# Altium PCB Copy of 211105 PCB.PcbDoc (part 2 of 3) (continued)
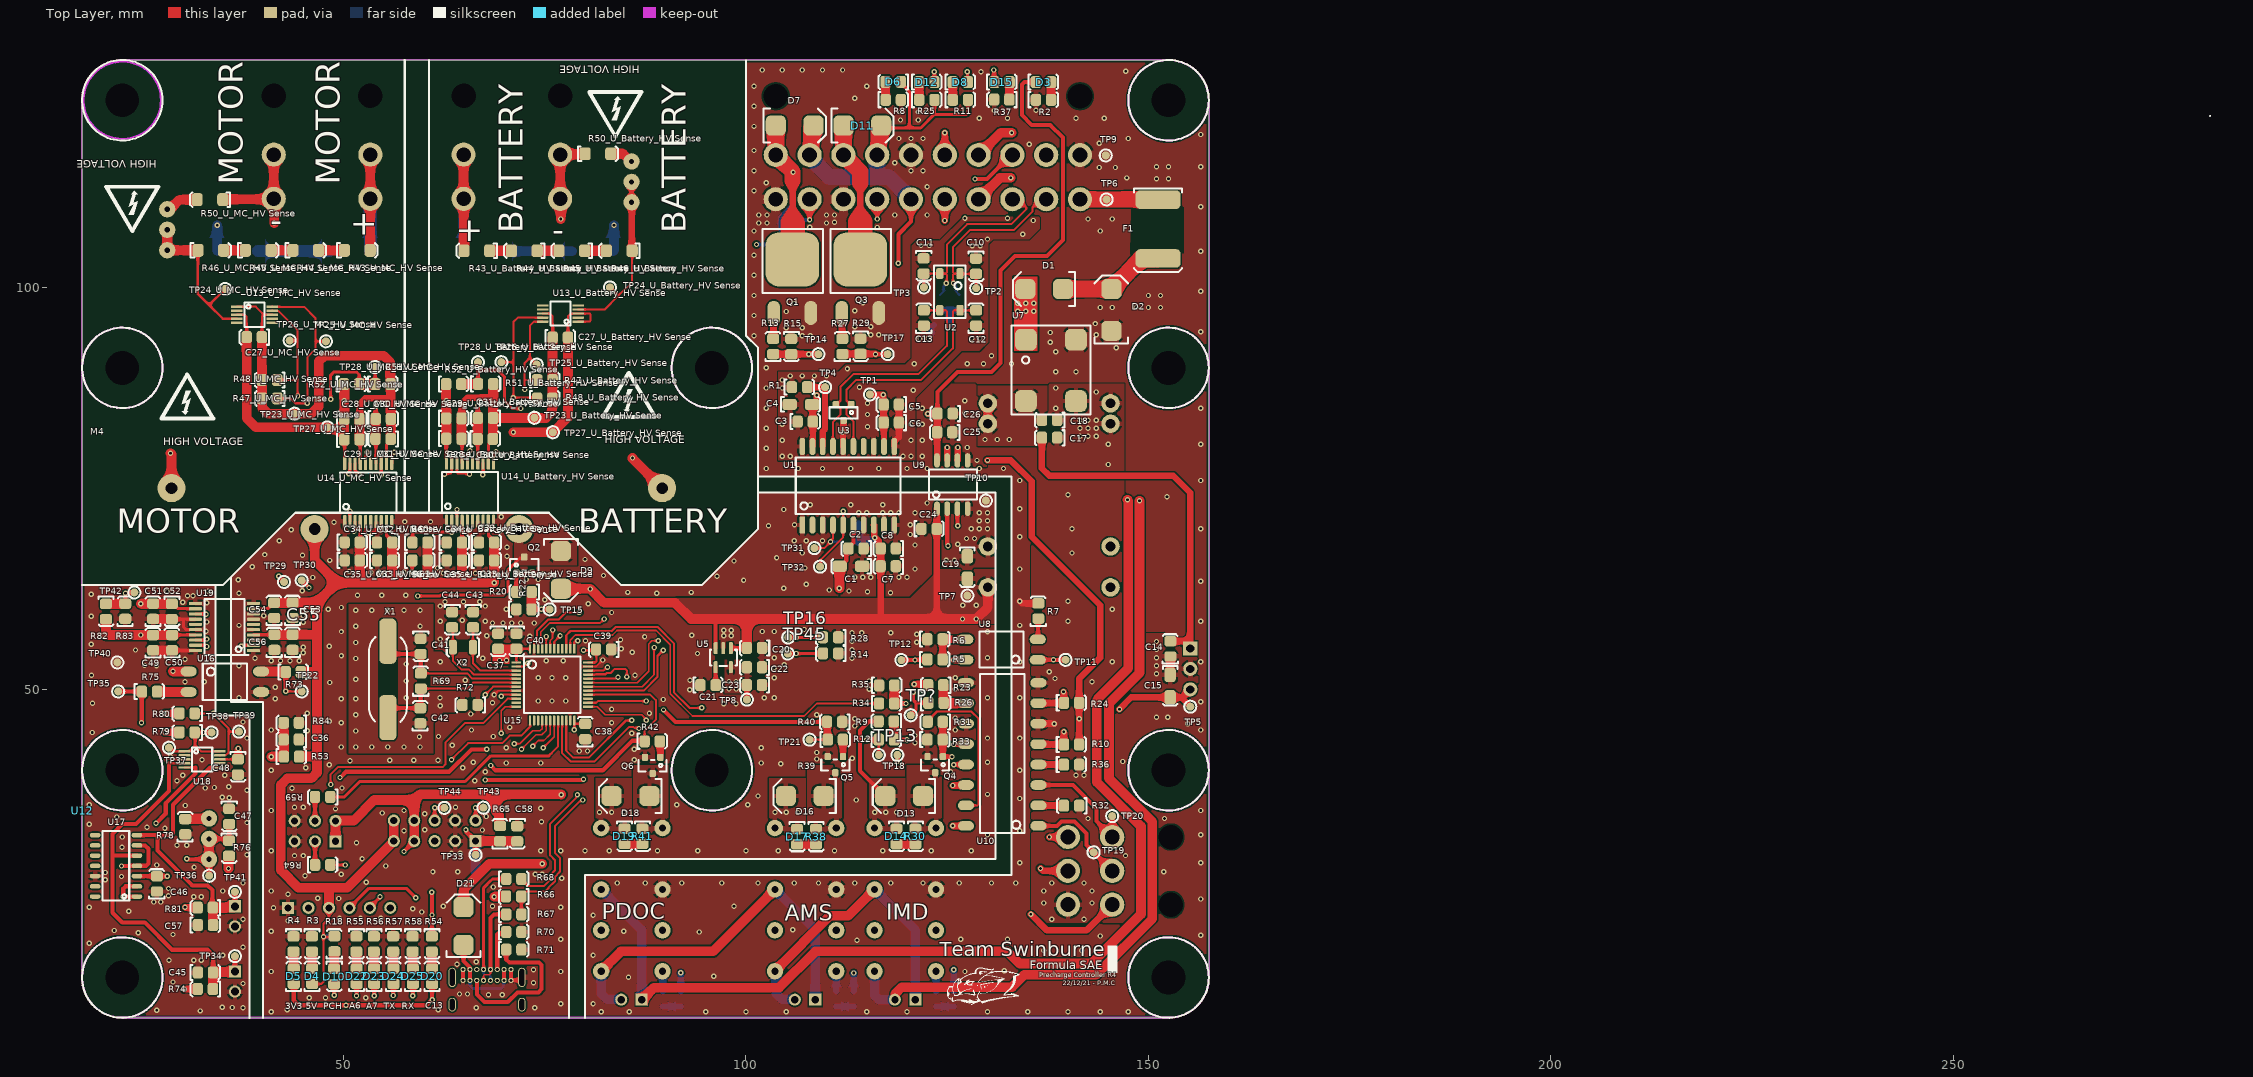
[diagram p0: Top Layer view]
## Nets (pads, with @x,y where several pads share a name; then routed paths per layer and width w, separated by ;. In a path a pad name is that pad's centre, name@x,y a point inside that pad or via, vN(x,y) a via of type N, cw(c..) or ccw(c..) an arc to the next point about the centre after c; other vN are vias at no path point) (continued)
  Top Layer w0.508: v1(89.75,47.5) 91.237,46.013 110.049,46.013 R40.2@110.062,46.026
  Top Layer w0.8: R40.2@110.062,46.026 110.106,45.982 110.106,43.844 R39.1@110.15,43.8
  Int2 (PWR) w0.508: v1(87.6,48.6) 88.715,48.6 89.012,48.302 89.012,48.279 89.75,47.541 v1(89.75,47.5)
AMS_OC: D16.A K2.1 Q5.D R38.1
BOOT0: BOOT1.3 R64.1 | length 2.9
  Top Layer w0.508: R64.1@46.452,28.248 46.455,28.251 46.455,31.167 BOOT1.3@46.457,31.17
BOOT1: BOOT1.4 R59.2 | length 3
  Top Layer w0.508: R59.2@46.45,36.689 46.454,36.686 46.454,33.714 BOOT1.4@46.457,33.71
"CAN RX": R62.1 TP31.1 U1.4 U15.45 | length 49
  Top Layer w0.203: U15.45@74.666,55.091 74.666,56.161 74.487,56.339 74.487,57.187 75.6,58.3 81.9,58.3 v1(82.4,58.8) ; v1(110.5,68.4) 110.5,68.524 110.802,68.826 110.802,70.473 U1.4@110.804,70.475
  Top Layer w0.254: TP31.1@108.5,67.6 109.7,67.6 v1(110.5,68.4)
  Int2 (PWR) w0.381: v1(82.4,58.8) 98.05,58.8 105.325,66.075 108.175,66.075 v1(110.5,68.4)
  Bottom Layer w0.203: v1(110.5,68.4) 112.043,68.4 R62.1@112.088,68.355
"CAN RX INDC": D25.A D32.A U15.19 | length 51
  Top Layer w0.203: v1(74.8,42.8) 76.166,44.166 U15.19@76.166,46.191
  Top Layer w0.508: v1(58.6,11.975) D25.A@58.6,13.441
  Int2 (PWR) w0.203: v1(58.6,11.975) 58.6,18.764 58.647,18.811 58.647,18.847 59.711,19.911 70.811,19.911 73.032,22.132 73.032,41.047 74.784,42.8 v1(74.8,42.8)
  Bottom Layer w0.5: D32.A@58.575,13.511 58.587,13.499 58.587,11.988 v1(58.6,11.975)
"CAN TX": R63.1 TP32.1 U1.5 U15.46 | length 56.3
  Top Layer w0.254: U15.46@74.166,55.091 74.166,56.05 74.056,56.16 74.056,57.366 75.421,58.732 76.732,58.732 77.6,59.6 v1(79.3,59.6) ; TP32.1@109.2,65.3 109.287,65.387 109.287,66.181 112.074,68.968 U1.5@112.074,70.475 112.087,70.488 112.087,72.187 v1(112.1,72.2)
  Int2 (PWR) w0.381: v1(79.3,59.6) 80.9,59.6 82.1,60.8 95.1,60.8 106.5,72.2 v1(112.1,72.2)
  Bottom Layer w0.254: R63.1@112.088,70.526 112.094,70.532 112.094,72.194 v1(112.1,72.2)
"CAN TX INDC": D24.A D31.A U15.18 | length 52.1
  Top Layer w0.203: v1(73.5,43) 74.198,43.698 74.89,43.698 75.666,44.474 U15.18@75.666,46.191
  Top Layer w0.508: v1(56.177,12.012) 56.188,12.023 56.188,13.451 D24.A@56.2,13.462
  Int2 (PWR) w0.254: v1@56.169,12.012 56.169,16.944 58.215,18.99 58.215,19.026 59.532,20.343 70.632,20.343 72.6,22.311 72.6,42.094 73.5,42.994 v1(73.5,43)
  Bottom Layer w0.5: D31.A@56.175,13.511 56.176,13.51 v1(56.177,12.012) v1(56.177,12.012)
CAN_CMF_N: C12.2 U1.15 U2.4 U3.1 | length 30.9
  Top Layer w0.25: U1.15@113.344,80.229 113.344,83.357 112.482,84.219 112.482,84.428 112.501,84.447 112.501,84.982 112.694,85.175 112.803,85.175 113.072,85.444 U3.1@113.072,85.453 113.072,85.463 112.803,85.732 112.694,85.732 112.501,85.925 112.501,87.312 113.689,88.5 121.772,88.5 125.705,92.433 125.705,97.013 125.851,97.159 U2.4@126.576,97.159 126.588,97.147 C12.2@128.602,97.147
CAN_CMF_P: C13.2 U1.17 U2.3 U3.2 | length 30.9
  Top Layer w0.25: U1.17@110.804,80.229 110.804,83.261 111.724,84.18 111.724,84.742 111.743,84.761 111.743,84.982 111.55,85.175 111.441,85.175 111.172,85.444 U3.2@111.172,85.453 111.172,85.463 111.441,85.732 111.55,85.732 111.743,85.925 111.743,87.626 113.375,89.258 121.458,89.258 124.947,92.747 124.947,97.013 124.8,97.159 U2.3@124.076,97.159 124.064,97.147 C13.2@122.102,97.147
CAN_N: "CAN TERM R2.1" "PRIMARY INTERFACE1.4" C10.2 TP2.1 U2.1 | length 25.3
  Top Layer w0.25: v1(125.783,100.531) 125.705,100.609 125.705,101.563 125.851,101.709 ; TP2.1@128.6,99.9 128.6,101.642 C10.2@128.571,101.671 126.614,101.671 U2.1@126.576,101.709 125.851,101.709 ; 137.3,110.95 136.596,110.95 135.579,109.933 135.579,109.411 133.268,107.1 127.805,107.1 125.705,105 125.705,101.856 125.851,101.709
  Bottom Layer w0.25: v1(125.783,100.531) 125.783,100.42 126.128,100.075 126.128,99.447 126.525,99.05
CAN_P: "CAN TERM R1.2" "PRIMARY INTERFACE1.6" C11.2 TP3.1 U2.2 | length 25.2
  Top Layer w0.25: TP3.1@122.1,100 122.1,101.68 C11.2@122.071,101.709 U2.2@124.076,101.709 124.8,101.709 ; v1(124.869,100.531) 124.947,100.609 124.947,101.563 124.8,101.709 ; 133.1,110.95 133.804,110.95 134.821,109.933 134.821,109.725 132.954,107.858 127.491,107.858 124.947,105.314 124.947,101.856 124.8,101.709
  Bottom Layer w0.25: 124.115,99.074 124.548,99.508 124.548,100.099 124.869,100.42 v1(124.869,100.531)
CANS: "PRIMARY INTERFACE1.3" C3.1 C4.1 C5.1 C6.1 C9.1 C10.1 C11.1 C12.1 C13.1 R1.1 U1.11 U1.13 U1.16 U1.20 U3.3 | length 20.8
  Top Layer w0.762: U1.16@112.074,80.229 112.049,80.254 112.049,81.951 v1(112,82) 112.122,82.122 U3.3@112.122,83.453 ; U1.11@118.424,80.23 118.424,80.903 118.45,80.928 118.55,80.928 118.996,81.374 C6.1@118.996,83.205 C5.1@118.996,85.455
  Int1 (GND) w0.762: 135.2,108.3 135.2,114.35 137.3,116.45
  Bottom Layer w0.762: v1(121.573,93.656) v1(122.573,93.656) 123.069,94.153 123.069,95.057 C9.1@123.338,95.326
  other v1: 104.5,79 105.5,79 119.5,79 120.5,79 104.5,81 120.5,81 115.1,82.7 104.5,83 120.5,83 115.1,84.2 120.5,85 115.1,85.6 120.8,87.2 104.5,87.5 114.1,87.6 104.5,88.5 105.5,89 107,89 108.5,89 110,89 112.6,89.9 120.9,90.5 128.073,93.656 129.073,93.656 128.1,105.162 129.1,105.162 121.75,105.2 122.75,105.2 130,106 134.375,106.6 135.7,108.3 127.2,108.6 132.5,108.6
"CHASSIS REF": "PRIMARY INTERFACE1.9" P1.6 | length 113
  Top Layer w0.8: 124.7,116.45 v1(124.7,119.2) ; v1(137.7,31.7) P1.6@140,31.7
  Int2 (PWR) w0.8: 124.7,116.45 124.7,116.8 ; v1(124.7,119.2) 130,119.2 131,118.2 131,97.3 136.9,91.4 136.9,84.625 144,77.525 144,73.4 149.3,68.1 149.3,46.3 145.4,42.4 145.4,37.6 144,36.2 140.596,36.2 137.7,33.304 v1(137.7,31.7)
"DISCHARGE DISABLE": "PRIMARY INTERFACE1.5" R85.2 R86.2 | length 44.1
  Top Layer w0.5: v1(128.45,113.475) 129.936,113.475 132.911,116.45 133.1,116.45
  Int2 (PWR) w0.5: v1(101.3,105.325) 102.875,105.325 105.825,108.275 105.825,112.7 106.6,113.475 v1(128.45,113.475)
  Bottom Layer w0.5: v1(101.3,105.325) 101.312,105.313 104.213,105.313 R85.2@104.225,105.3
  Bottom Layer w1.2: R85.2@104.225,105.3 R86.2@106.425,105.3
GLV+: "PRIMARY INTERFACE1.2" F1.1 TP6.1 | length 9.7
  Top Layer w2: 141.5,110.95 141.525,110.925 TP6.1@144.8,110.925 151.175,110.925 F1.1@151.2,110.9
GLV-: "PRIMARY INTERFACE1.1" "PRIMARY INTERFACE1.11" "PRIMARY INTERFACE1.16" "PRIMARY INTERFACE1.20" C16.1 D2.A K1.4 K2.4 K3.4 Q1.S Q3.S R2.1 R7.2 R8.2 R15.1 R29.1 R37.2 TP9.1 U7.4 | length 2.4
  Top Layer w0.8: v1(134,61) 134.262,60.738 R7.2@136.326,60.738
  other v1: 82,10 85.5,10 95,10 100,10 105,10 115,10 120,10 130,10 135,10 140,10 144,10 147.5,10 81,11 85.4,14.3 96,14.4 127.2,15 132.1,15.1 81,17 137,17.6 141.7,17.6 113.8,18.9 126.7,19 132.5,19 144,19.4 156.5,19.5 94.2,19.9 84.8,20 105.8,20.2 81,22 98.5,23.1 156.5,24 84,26 87.5,26 92,26 97,26 101.5,26 106,26 109,26 113.5,26 118,26 122,26 126.5,26 130.5,26 133.5,26 151.9,27.4 134,28.5 156.5,28.5 156.5,32 134,32.5 152,34 156.5,35 134,36.5 134,40 146.8,41.1 134,44 156.5,45 154.9,45.8 151,46.6 152.4,46.6 156.5,48.5 134,49 134,53.5 156.5,53.5 134,58 156.5,58.5 156.5,63.5 134,65 134,69 156.5,70 134,72.5 152.3,74 134,76 156.5,76 102.5,77.5 106.5,77.5 109.5,77.5 113,77.5 116.5,77.5 120,77.5 122.5,77.5 129,77.5 132,77.5 121.9,79 102.5,80 156.5,80.5 121.9,81 102.5,82.5 121.9,83 102.5,85 121.9,85 156.5,85 102.5,87.5 138.5,89.5 141,89.5 102.5,90 127.5,90.5 129.5,90.5 133,90.5 130.5,91.5 138.5,92 146,92.5 137.8,93.2 101,94 107,94 108,94 115.5,94.1 116.5,94.1 143.5,94.1 137.8,94.4 156.5,94.5 105,95 107,95 113.5,95.1 115.5,95.1 143.4,95.5 101,96.5 105,97 113.5,97.1 144,97.5 145.5,97.5 148.5,97.5 150,97.5 151.5,97.5 106,98 114.5,98.1 101,99 150,99 151.5,99 156.5,99.5 101,101.5 101,104 156.5,104.5 101,107 144,107 116.325,107.45 107.925,107.475 101.6,108 102.6,108 110,108 111,108.079 142.5,108.5 145.5,108.5 101.6,109 102.6,109 110,109 111,109 118.5,109 122.5,109 156.5,110 101,112 122.5,112.5 102.5,113 151,113.5 152.5,113.5 147.3,113.6 101,114.5 120.5,114.5 122,114.5 143.9,114.9 145.9,114.9 151,115 152.5,115 156.5,115 118.5,115.5 101,117 135.2,117.8 143.9,117.9 119,118.5 120.5,118.5 122,118.5 147.5,118.5 156.5,119 101,120 119.2,120.8 121.4,120.8 129,121 132.5,121 141,121 144.5,121 119.2,121.8 121.4,121.8 122.4,121.8 130.825,121.975 136.025,122 101,122.5 113.5,123.5 101,125 115,125 129.2,126.8 147.175,126.85 102,127 104.5,127 107,127 109.5,127 112,127
"GLV- REF": "PRIMARY INTERFACE1.10" P1.4 | length 103.2
  Top Layer w0.8: v1(124.7,108.3) 124.7,110.95 ; v1(136.6,27.8) 136.9,27.5 P1.4@140,27.5
  Int2 (PWR) w0.8: v1(124.7,108.3) 124.7,106.275 129.8,101.175 129.8,96.881 135.825,90.856 135.825,84.281 142.9,77.206 142.9,72.925 148.2,67.625 148.2,46.9 144.2,42.9 144.2,37.869 143.731,37.4 140.378,37.4 136.6,33.622 v1(136.6,27.8)
GNDISO: "PDOC Sensor 1.1" "PDOC Sensor 2.1" C45.1 C46.1 C47.1 C48.2 C49.1 C50.1 C51.1 C52.2 C57.1 R78.1 R83.1 TP40.1 U17.12 U18.3 U19.11 U19.14 U19.16 U19.20 | length 15.1
  Top Layer w0.254: v1(28.499,41.698) 28.609,41.698 28.957,41.35 U18.3@30.232,41.35 U18.3@30.209,41.373
  Top Layer w0.381: C52.2@28.669,58.776 30.134,58.775 ; C50.1@28.716,54.884 31.59,54.884 U19.20@31.6,54.875 ; U19.16@31.6,57.475 30.425,57.475 30.1,57.8 30.1,58.741 30.134,58.775 ; U19.14@31.6,58.775 30.134,58.775
  Top Layer w1.2: C49.1@26.335,54.9 C50.1@28.7,54.9 C50.1@28.716,54.884 ; C51.1@26.335,58.8 26.347,58.788 28.656,58.788 C52.2@28.669,58.776
  other v1: 32.2,10.1 26.8,10.2 37.5,10.5 36.15,10.525 34.925,10.55 37.5,13.5 28.8,13.7 28.3,16.4 31.4,16.4 32.3,16.4 35,17 37.5,18 18.4,18.5 28.8,19.6 24.5,19.8 21.5,20.1 37.5,21.5 23.3,22.5 18.4,23 26.395,23.625 27.295,23.625 31.4,24.3 32.3,24.3 28.243,24.41 35,25 28.243,25.31 37.5,26 20.4,26.4 22.4,26.8 20.4,27.3 31.425,27.95 26.8,28.225 38,29.5 22.475,30.45 29.3,30.7 30.5,30.7 22.5,31.7 27.8,32.8 25.575,32.925 18.4,33.3 38,33.5 21.8,34.2 30.325,35.625 18.4,35.7 35.8,36.6 34.925,36.65 38,37.5 32.8,37.8 33.952,37.865 35.725,37.95 29.3,38.7 35.25,39.375 30,39.4 32.4,41.3 38,44 18.775,44.7 37.5,46 18.8,48.325 30.3,51 32.7,51 18.675,51.8 26.75,52.975 25.275,53.025 30.3,53.8 24.15,54.95 18.65,55.65 32.911,57.278 33.013,58.431 18.65,59.125 33,60.8 30.027,60.872 30.6,61.7 31.3,61.7 18.65,61.875 28.1,62.25 33.15,62.25
"Green In": "IMD Bypass1.2" "PRIMARY INTERFACE1.7" K1.9 | length 168.4
  Top Layer w1.2: 118.5,11.5 118.557,11.557 118.557,12.254 119.353,13.05 133.05,13.05 134.597,14.597 143.534,14.597 150.475,21.538 150.475,33.623 145.1,38.998 145.1,48.3 148.9,52.1 v1(148.9,73.5) ; 128.9,116.45 131.65,119.2 v1(133,119.2)
  Int2 (PWR) w1.2: v1(133,119.2) 144.5,119.2 148.9,114.8 148.9,107.516 141.603,100.219 141.603,94.297 148.9,87 v1(148.9,73.5)
  Bottom Layer w1.2: K1.9@115.98,15.036 115.98,12.02 116.5,11.5 118.5,11.5
"Green Out": "PDOC Bypass1.1" "PRIMARY INTERFACE1.8" K3.13 | length 202.8
  Top Layer w1.2: 87.04,11.5 88.54,13 104.127,13 108.627,17.5 132.5,17.5 134,16 142.953,16 149.072,22.119 149.072,33.042 143.6,38.513 143.6,48.6 143.697,48.697 143.697,48.881 147.497,52.681 147.497,73.503 v1(147.4,73.6) ; 128.9,110.95 131.55,113.6 v1(132.9,113.6)
  Int2 (PWR) w1.2: v1(132.9,113.6) 144.6,113.6 147.4,110.8 147.4,108 140.2,100.8 140.2,93.7 147.4,86.5 v1(147.4,73.6)
  Bottom Layer w1.2: K3.13@82.002,25.196 87.04,20.158 87.04,11.5
"HV Battery+": "HV BATTERY+1.1" "HV BATTERY+1.2" "R43_U_Battery_HV Sense.2" R21.1 | length 18.5
  Top Layer w1.2: 64.907,116.5 64.907,111 64.93,110.977 64.93,104.573 64.953,104.55
  Bottom Layer w1.2: R21.1@64.9,104.5 64.903,104.503 64.903,110.997 64.907,111
"HV Battery-": "C27_U_Battery_HV Sense.2" "C28_U_Battery_HV Sense.1" "C29_U_Battery_HV Sense.1" "C30_U_Battery_HV Sense.1" "C31_U_Battery_HV Sense.2" "HV BATTERY-1.1" "HV BATTERY-1.2" "R50_U_Battery_HV Sense.1" "R52_U_Battery_HV Sense.1" "TP27_U_Battery_HV Sense.1" "U13_U_Battery_HV Sense.1" "U13_U_Battery_HV Sense.3" "U14_U_Battery_HV Sense.11" "U14_U_Battery_HV Sense.14" "U14_U_Battery_HV Sense.16" "U14_U_Battery_HV Sense.20" | length 85
  Top Layer w0.254: 77.878,93.774 77.878,96.378 78.227,96.727 79.115,96.727 79.138,96.75 80.55,96.75 80.7,96.6 80.7,95.9 80.55,95.75 79.138,95.75
  Top Layer w0.381: 62.751,81.192 62.751,78.789 62.783,78.756 62.783,78.156 ; 65.383,78.156 65.393,78.166 65.393,79.293 65.7,79.6 v1(65.7,79.7) ; 66.663,81.183 66.674,81.172 66.674,78.166 66.683,78.156 ; 68.633,78.156 68.643,78.166 68.643,79.267
  Top Layer w0.508: 66.675,83.77 66.678,83.773 66.678,85.31 v1(66.681,85.313)
  Top Layer w1.2: 62.738,87.974 62.744,87.967 ; 62.744,87.567 v1(62.744,85.9) 62.744,83.724 62.751,83.718 62.751,81.192 ; 66.663,81.183 66.663,83.758 66.675,83.77 ; v1(71.101,82) 76,82 77.878,83.878 77.878,93.774 ; 76.907,116.5 76.907,111 77,110.907 v1(77,108.5) ; 76.957,116.55 79.95,116.55 80,116.6
  Int1 (GND) w1.2: v1(71.101,82) 77,87.899 v1(77,108.5)
  Bottom Layer w1.2: 76.907,111 77,110.907
  other v1: 68.945,79.595
"HV MC+": "HV MC+1.1" "HV MC+1.2" "R43_U_MC_HV Sense.2" R16.2 | length 18.4
  Top Layer w1.2: 53.3,104.6 53.312,104.612 53.312,110.988 53.324,111 53.324,116.5
  Bottom Layer w1.5: R16.2@53.3,104.5 53.312,104.512 53.312,110.988 53.324,111
"HV MC-": "C27_U_MC_HV Sense.2" "C28_U_MC_HV Sense.1" "C29_U_MC_HV Sense.1" "C30_U_MC_HV Sense.1" "C31_U_MC_HV Sense.2" "HV MC-1.1" "HV MC-1.2" "R50_U_MC_HV Sense.1" "R52_U_MC_HV Sense.1" "TP27_U_MC_HV Sense.1" "U13_U_MC_HV Sense.3" "U14_U_MC_HV Sense.11" "U14_U_MC_HV Sense.14" "U14_U_MC_HV Sense.16" "U14_U_MC_HV Sense.20" | length 100.2
  Top Layer w0.254: 36.738,96.6 37.7,96.6 37.953,96.347 37.953,93.826 ; 52.732,78.1 52.732,79.172 52.95,79.39 v1(52.95,79.5)
  Top Layer w0.381: 50.08,81.101 50.123,81.058 50.123,78.109 50.132,78.1 ; 53.962,81.173 54.023,81.112 54.023,78.109 54.032,78.1 ; 55.982,78.1 55.992,78.109 55.992,79.116 56.3,79.424 v1(56.3,79.5)
  Top Layer w0.508: 53.986,83.668 53.988,83.669 53.988,85.214 v1(53.99,85.216)
  Top Layer w1.2: 35,110.9 35.05,110.95 41.274,110.95 41.324,111 ; 37.953,93.826 37.953,83.747 39.1,82.6 48,82.6 48.236,82.364 50.08,82.364 ; 41.324,116.5 41.324,111 ; v1(41.4,108) 41.4,110.924 41.324,111 ; 50.038,87.974 50.088,87.924 50.088,85.912 v1(50.1,85.9) 50.1,83.647 50.08,83.627 50.08,82.364 ; 50.08,81.101 50.08,82.364 ; 53.962,81.173 53.974,81.186 53.974,83.655 53.986,83.668
  Int1 (GND) w1.2: v1(41.4,108) 41.4,87.7 49.6,79.5 v1(52.95,79.5) v1(56.3,79.5)
"IMD Data": D15.A P1.5 TP20.1 U10.3 | length 136
  Top Layer w0.508: v1(130.8,127) 130.825,126.975 130.825,125.525 D15.A@130.85,125.5 ; U10.3@136.33,38.173 140.611,38.173 143.526,35.259 143.526,33.674 P1.5@145.5,31.7 TP20.1@145.5,34.3
  Int2 (PWR) w0.508: v1(130.8,127) 141.6,127 152.762,115.838 152.847,115.838 153.338,115.347 153.338,115.262 154,114.6 154,98 148.2,92.2 148.2,89.6 153.4,84.4 153.4,46.2 147.9,40.7 147.9,34.1 P1.5@145.5,31.7
"IMD Data (ISO)": R34.1 U15.38 | length 48.5
  Top Layer w0.203: U15.38@78.166,55.091 78.166,56.166 78.8,56.8 83.411,56.8 83.979,57.368 88.832,57.368 90.6,55.6 90.6,49.5 93.35,46.75 107.25,46.75 108.796,48.296 114.738,48.296
  Top Layer w0.254: 114.738,48.296 R34.1@116.525,48.296
"IMD OK": P1.3 TP19.1 U10.1 | length 12.8
  Top Layer w0.508: U10.1@136.33,33.093 138.63,33.093 139.191,33.654 140.809,33.654 142.3,32.163 142.3,30.7 TP19.1@143.188,29.812 P1.3@145.5,27.5
"IMD OK (ISO)": Q4.G R31.1 R33.2 TP18.1 U15.25 | length 56.1
  Top Layer w0.203: U15.25@80.366,47.891 81.509,47.891 82.514,46.886 87.044,46.886 87.225,46.705 87.225,46.699 87.6,46.324 v1(87.6,46.2)
  Top Layer w0.508: v1(118.8,41.1) TP18.1@118.8,41.9 ; Q4.G@124.45,41.7 v1(125.6,41.7)
  Top Layer w0.8: Q4.G@124.45,41.7 124.45,43.788 R33.2@124.438,43.8 124.45,43.812 124.45,46.014 R31.1@124.462,46.026
  Int2 (PWR) w0.508: v1@87.641,46.2 87.717,46.124 89.941,43.9 104.5,43.9 108.1,40.3 118.7,40.3 ; v1(118.8,41.1) 118.771,41.071 118.771,40.371 118.7,40.3 ; v1(125.6,41.7) 124.2,40.3 118.7,40.3
IMD_OC: D13.A K1.1 Q4.D R30.1
LED2: D22.A D27.A U15.16 | length 54.5
  Top Layer w0.203: v1(71.2,43.3) 71.9,43.3 73.5,44.9 74.4,44.9 74.666,45.166 U15.16@74.666,46.191
  Top Layer w0.508: v1(51.609,12) 51.616,12.007 51.616,13.442 D22.A@51.624,13.45
  Int2 (PWR) w0.254: v1@51.62,12 51.62,13.645 55.254,17.279 55.254,17.358 59.153,21.257 70.253,21.257 71.643,22.647 71.643,42.051 71.2,42.494 v1(71.2,43.3)
  Bottom Layer w0.5: D27.A@51.599,13.511 51.604,13.506 51.604,12.005 v1(51.609,12)
LED3: D23.A D29.A U15.17 | length 52.9
  Top Layer w0.203: v1(72.1,42.6) 73.9,44.4 74.622,44.4 75.166,44.944 U15.17@75.166,46.191
  Top Layer w0.508: D23.A@53.793,13.45 53.801,13.442 53.801,12.008 v1(53.809,12)
  Int2 (PWR) w0.254: v1@53.82,12 53.82,15.195 55.711,17.086 55.711,17.169 59.343,20.8 70.443,20.8 72.1,22.457 v1(72.1,42.6)
  Bottom Layer w0.5: D29.A@53.779,13.511 53.794,13.496 53.794,12.015 v1(53.809,12)
"Measure_U_Battery_HV Sense": "R46_U_Battery_HV Sense.1" "R49_U_Battery_HV Sense.2" "R49_U_Battery_HV Sense.3" "TP24_U_Battery_HV Sense.1" "U13_U_Battery_HV Sense.4" | length 22.1
  Top Layer w0.254: 79.138,97.25 82.45,97.25 84.151,98.951 ; 83.1,100 83.103,100 84.151,98.951 ; 85.788,113.11 85.788,110.57 85.82,110.538 ; 85.82,104.583 85.853,104.55 85.853,100.653 84.151,98.951
  Top Layer w0.8: 85.82,104.583 85.82,110.538
"Measure_U_MC_HV Sense": "R46_U_MC_HV Sense.1" "R49_U_MC_HV Sense.2" "R49_U_MC_HV Sense.3" "TP24_U_MC_HV Sense.1" "U13_U_MC_HV Sense.4" | length 20.7
  Top Layer w0.305: 31.9,104.6 31.9,99.2 33.3,97.8 ; 35.3,99.8 33.3,97.8 ; 36.738,96.1 35,96.1 33.3,97.8
  Top Layer w1.2: 28.1,107.16 28.1,104.62 28.11,104.61 31.89,104.61 31.9,104.6
"NetAMS Bypass1_1": "AMS Bypass1.1" "PDOC Bypass1.2" K2.13 K3.9 | length 47.2
  Top Layer w1.2: K3.9@82.002,15.036 84.466,17.5 95.898,17.5 K2.13@103.595,25.196
  Bottom Layer w1.2: K3.9@82.002,15.036 82.002,12.253 82.705,11.55 84.45,11.55 84.5,11.5 ; K2.13@103.595,25.196 108.6,20.191 108.6,11.5
"NetAMS Bypass1_2": "AMS Bypass1.2" "IMD Bypass1.1" K1.13 K2.9 | length 37.9
  Top Layer w1.2: K2.9@103.595,15.036 103.595,15.064 110.462,21.932 112.716,21.932 K1.13@115.98,25.196
  Bottom Layer w1.2: K2.9@103.595,15.036 103.74,14.891 103.74,12.26 104.001,11.999 104.443,11.557 106.003,11.557 106.06,11.5 ; K1.13@115.98,25.196 121.04,20.136 121.04,11.5
NetC9_2: "CAN TERM R1.1" "CAN TERM R2.2" C9.2 | length 4.3
  Bottom Layer w0.8: 124.115,97.174 124.127,97.162 125.32,97.162 ; C9.2@125.238,95.326 125.238,97.08 125.32,97.162 ; 126.525,97.15 126.513,97.162 125.32,97.162
NetD1_A: D1.A D2.K F1.2 | length 13.4
  Top Layer w2: D1.A@139.4,99.8 D2.K@145.4,99.8 149.05,103.45 151.05,103.45 F1.2@151.2,103.6
NetD3_K: D3.K R2.2 | length 2.2
  Top Layer w1: R2.2@137.915,123.302 D3.K@137.915,125.5
NetD4_K: D4.K R3.2 | length 2.1
  Top Layer w1: R3.2@46.07,17.462 46.086,17.446 46.086,15.366 D4.K@46.101,15.35
NetD5_K: D5.K R4.2 | length 2.1
  Top Layer w1: R4.2@43.776,17.462 43.792,17.446 43.792,15.366 D5.K@43.808,15.35
NetD6_K: D6.K R8.1 | length 2.2
  Top Layer w1: D6.K@117.331,125.531 117.344,125.519 117.344,123.315 R8.1@117.356,123.302
NetD8_A: D8.A R11.1 | length 2.2
  Top Layer w1: R11.1@125.685,123.302 D8.A@125.685,125.5
NetD10_A: D10.A R18.1 | length 2.2
  Top Layer w1: D10.A@48.823,15.326 48.839,15.341 48.839,17.471 R18.1@48.855,17.486
NetD12_A: D12.A R25.1 | length 2.2
  Top Layer w1: R25.1@121.521,123.302 D12.A@121.521,125.5
NetD14_K: D14.K R30.2 | length 2.4
  Top Layer w1.2: D14.K@118.688,30.824 R30.2@121.048,30.824
NetD15_K: D15.K R37.1 | length 2.2
  Top Layer w1: R37.1@132.726,123.334 132.738,123.346 132.738,125.488 D15.K@132.75,125.5
NetD17_K: D17.K R38.2 | length 2.4
  Top Layer w1.2: D17.K@106.338,30.8 R38.2@108.7,30.8
NetD19_K: D19.K R41.2 | length 2.2
  Top Layer w1.2: D19.K@84.901,30.842 84.905,30.846 87.121,30.846 R41.2@87.125,30.85
NetD20_K: D20.K R54.2 | length 2.1
  Top Layer w1: R54.2@60.969,17.462 60.984,17.446 60.984,15.366 D20.K@61,15.35
NetD21_A: D21.A P2.A4 P2.A9 P2.B4 P2.B9 | length 12
  Top Layer w0.5: D21.A@64.9,18.3 64.9,16.3 65.669,15.531 65.669,15.274 P2.A9@65.698,15.245 P2.B4@65.698,13.895 ; P2.B9@69.948,13.895 P2.A4@69.948,15.245 ; D21.A@65.699,18.285 D21.A@65.7,18.286
  Bottom Layer w0.381: P2.B4@65.698,13.895 65.698,13.202 66.025,12.875 69.59,12.875 69.897,13.181 69.897,13.844 P2.B9@69.948,13.895
NetD22_K: D22.K R55.2 | length 2.1
  Top Layer w1: R55.2@51.592,17.462 51.608,17.446 51.608,15.366 D22.K@51.624,15.35
NetD23_K: D23.K R56.2 | length 2.1
  Top Layer w1: R56.2@53.761,17.462 53.777,17.446 53.777,15.366 D23.K@53.793,15.35
NetD24_K: D24.K R57.2 | length 2.1
  Top Layer w1: R57.2@56.168,17.474 56.184,17.458 56.184,15.378 D24.K@56.2,15.362
NetD25_K: D25.K R58.2 | length 2.1
  Top Layer w1: R58.2@58.577,17.462 58.593,17.446 58.593,15.366 D25.K@58.609,15.35
NetD26_K: D26.K R87.2 | length 2.2
  Bottom Layer w0.8: R87.2@123.626,10.65 D26.K@125.8,10.65
NetD27_K: D27.K R90.2 | length 2.1
  Bottom Layer w1: D27.K@51.599,15.411 51.614,15.427 51.614,17.444 R90.2@51.63,17.46
NetD28_K: D28.K R89.2 | length 2.2
  Bottom Layer w0.8: R89.2@111.225,10.65 D28.K@113.379,10.65
NetD29_K: D29.K R92.2 | length 2.1
  Bottom Layer w1: D29.K@53.779,15.411 53.795,15.427 53.795,17.444 R92.2@53.81,17.46
NetD30_K: D30.K R91.2 | length 2.2
  Bottom Layer w0.8: R91.2@89.675,10.65 D30.K@91.876,10.65
NetD31_K: D31.K R93.2 | length 2.1
  Bottom Layer w1: D31.K@56.175,15.411 56.191,15.427 56.191,17.469 R93.2@56.206,17.485
NetD32_K: D32.K R94.2 | length 2.1
  Bottom Layer w1: D32.K@58.575,15.411 58.591,15.427 58.591,17.444 R94.2@58.606,17.46
NetD33_K: D33.K R88.2 | length 2.1
  Bottom Layer w1: D33.K@60.974,15.411 60.989,15.427 60.989,17.444 R88.2@61.005,17.46
NetD34_A: D34.A R95.1 | length 2.1
  Bottom Layer w1: R95.1@48.825,17.484 48.841,17.469 48.841,15.402 D34.A@48.856,15.387
NetK1_8: K1.8 R87.1 | length 2.5
  Bottom Layer w0.8: K1.8@123.6,15.036 123.613,15.023 123.613,12.563 R87.1@123.626,12.55
NetK2_8: K2.8 R89.1 | length 2.5
  Bottom Layer w0.8: K2.8@111.215,15.036 111.22,15.031 111.22,12.555 R89.1@111.225,12.55
NetK3_8: K3.8 R91.1 | length 2.5
  Bottom Layer w0.8: K3.8@89.622,15.036 89.649,15.01 89.649,12.577 R91.1@89.675,12.55
NetP2_A5: P2.A5 R70.1 | length 5.6
  Top Layer w0.508: P2.A5@69.098,15.245 69.098,19.598 69.2,19.7 69.999,19.7 R70.1@70.204,19.905
NetP2_A6: P2.A6 P2.B6 R67.1 | length 10.6
  Top Layer w0.203: P2.B6@67.398,13.895 67.398,14.456 67.517,14.575 68.1,14.575 68.248,14.723 P2.A6@68.248,15.245
  Top Layer w0.508: P2.A6@68.248,15.245 68.248,21.648 68.689,22.089 70.193,22.089 R67.1@70.204,22.099
NetP2_A7: P2.A7 P2.B7 R68.1 | length 15.5
  Top Layer w0.381: P2.A7@67.398,15.245 67.398,25.393 68.305,26.3 68.325,26.3 68.514,26.489 R68.1@70.204,26.489
  Bottom Layer w0.203: P2.A7@67.398,15.245 67.398,14.694 67.517,14.575 68.129,14.575 68.248,14.456 P2.B7@68.248,13.895
NetP2_B5: P2.B5 R71.1 | length 19.8
  Top Layer w0.508: P2.B5@66.548,13.895 66.575,13.868 66.575,12.125 67.5,11.2 70.4,11.2 71.6,12.4 74.2,12.4 74.6,12.8 74.6,15.802 74.302,16.1 70.6,16.1 70.204,16.496 R71.1@70.204,17.71
NetQ1_G: Q1.G R13.2 | length 3.2
  Top Layer w0.8: R13.2@103.376,93.613 103.413,93.65 103.413,96.788 Q1.G@103.45,96.825
NetQ2_G: Q2.G R20.2 | length 2.4
  Top Layer w0.508: R20.2@71.474,62.152 71.487,62.165 71.487,64.487 Q2.G@71.5,64.5
NetQ3_G: Q3.G R27.2 | length 3.2
  Top Layer w0.8: Q3.G@111.9,96.825 111.938,96.787 111.938,93.651 R27.2@111.976,93.613
NetQ5_G: Q5.G R39.2 | length 2.1
  Top Layer w0.8: Q5.G@112.05,41.7 112.05,41.75 R39.2@112.05,43.8
NetQ6_G: Q6.G R42.2 | length 2
  Top Layer w0.8: R42.2@89.3,43.6 89.35,43.55 Q6.G@89.35,41.6
NetR1_2: R1.2 TP4.1 U1.18 | length 9.7
  Top Layer w0.762: R1.2@107.599,87.6 TP4.1@109.825,87.6 ; U1.18@109.534,80.229 109.534,82.109 109.825,82.4 TP4.1@109.825,87.6
NetR5_1: R5.1 TP12.1 U15.39 | length 59.7
  Top Layer w0.254: U15.39@77.666,55.091 77.666,56.766 78.2,57.3 83.3,57.3 83.8,57.8 89.011,57.8 91.032,55.779 91.032,49.7 92.982,47.75 v1(94.5,47.75)
  Top Layer w0.508: TP12.1@119.3,53.7 v1(121,53.7) 121.029,53.729 122.486,53.729 R5.1@122.522,53.766
  Int2 (PWR) w0.381: v1(94.5,47.75) 95.5,46.75 107.555,46.75 108.479,47.675 114.673,47.675 120.645,53.647 120.947,53.647 v1(121,53.7)
NetR5_2: R5.2 R6.2 U8.3 | length 5.3
  Top Layer w0.8: R5.2@124.422,53.766 124.427,53.77 124.427,56.275 R6.2@124.432,56.279 124.436,56.275 127.245,56.275 U8.3@127.25,56.27
NetR7_1: R7.1 U8.2 | length 2.6
  Top Layer w0.508: U8.2@136.25,56.27 136.288,56.308 136.288,58.8 R7.1@136.326,58.838
NetR9_1: R9.1 R12.2 U10.12 | length 12.6
  Top Layer w0.508: R12.2@118.4,43.8 v1(120,43.8) ; v1(125.8,43.2) 125.827,43.227 127.303,43.227 U10.12@127.33,43.253
  Top Layer w1.2: R9.1@118.376,46.08 118.388,46.067 118.388,43.812 R12.2@118.4,43.8
  Int2 (PWR) w0.508: v1(120,43.8) 120.029,43.771 120.029,43.663 120.029,43.071 120.7,42.4 125,42.4 v1(125.8,43.2)
NetR13_1: R13.1 R15.2 TP14.1 U9.7 | length 32.4
  Top Layer w0.8: R13.1@103.376,91.713 103.388,91.701 105.612,91.701 R15.2@105.624,91.689 105.635,91.7 v1(107.8,91.7) TP14.1@109,91.7 ; U9.7@125,78.5 v1(125,80.1)
  Int2 (PWR) w0.508: v1(107.8,91.7) 109,90.5 110.3,90.5 112.2,88.6 118.194,88.6 118.394,88.4 122.094,88.4 125,85.494 v1(125,80.1)
NetR16_1: R16.1 R17.2 | length 8.9
  Bottom Layer w1.5: R17.2@39.35,104.5 R16.1@48.2,104.5
NetR17_1: R17.1 U11.1 | length 38.3
  Top Layer w1.2: v1(28.5,79.4) 28.62,79.28 U11.1@28.62,75.055
  Int2 (PWR) w1.2: v1(28.5,79.4) 34.3,85.2 v1(34.3,107.7)
  Bottom Layer w1: R17.1@34.25,104.5 R17.1@34.293,104.543
  Bottom Layer w1.2: R17.1@34.293,104.543 34.3,104.55 v1(34.3,107.7)
NetR19_1: R19.1 R21.2 | length 8.4
  Bottom Layer w1.2: R21.2@70,104.5 R19.1@78.4,104.5
NetR19_2: R19.2 U11.4 | length 38.4
  Top Layer w1.2: v1(85.9,78.8) 85.9,78.735 U11.4@89.58,75.055
  Int2 (PWR) w1.2: v1(83.6,107.7) 83.6,81.1 v1(85.9,78.8)
  Bottom Layer w1.2: R19.2@83.5,104.5 83.6,104.6 v1(83.6,107.7)
NetR23_1: R23.1 R26.2 U10.10 | length 4.9
  Top Layer w1.2: R23.1@124.526,50.576 124.538,50.564 124.538,48.387 R26.2@124.55,48.375 ; R26.2@124.591,48.333 U10.10@127.33,48.333